# Allegro board RK3588_Template_LP4XD200P232SD8_41R0X41R0_2133MHz_H1R6_V10_20211229.brd (continued)
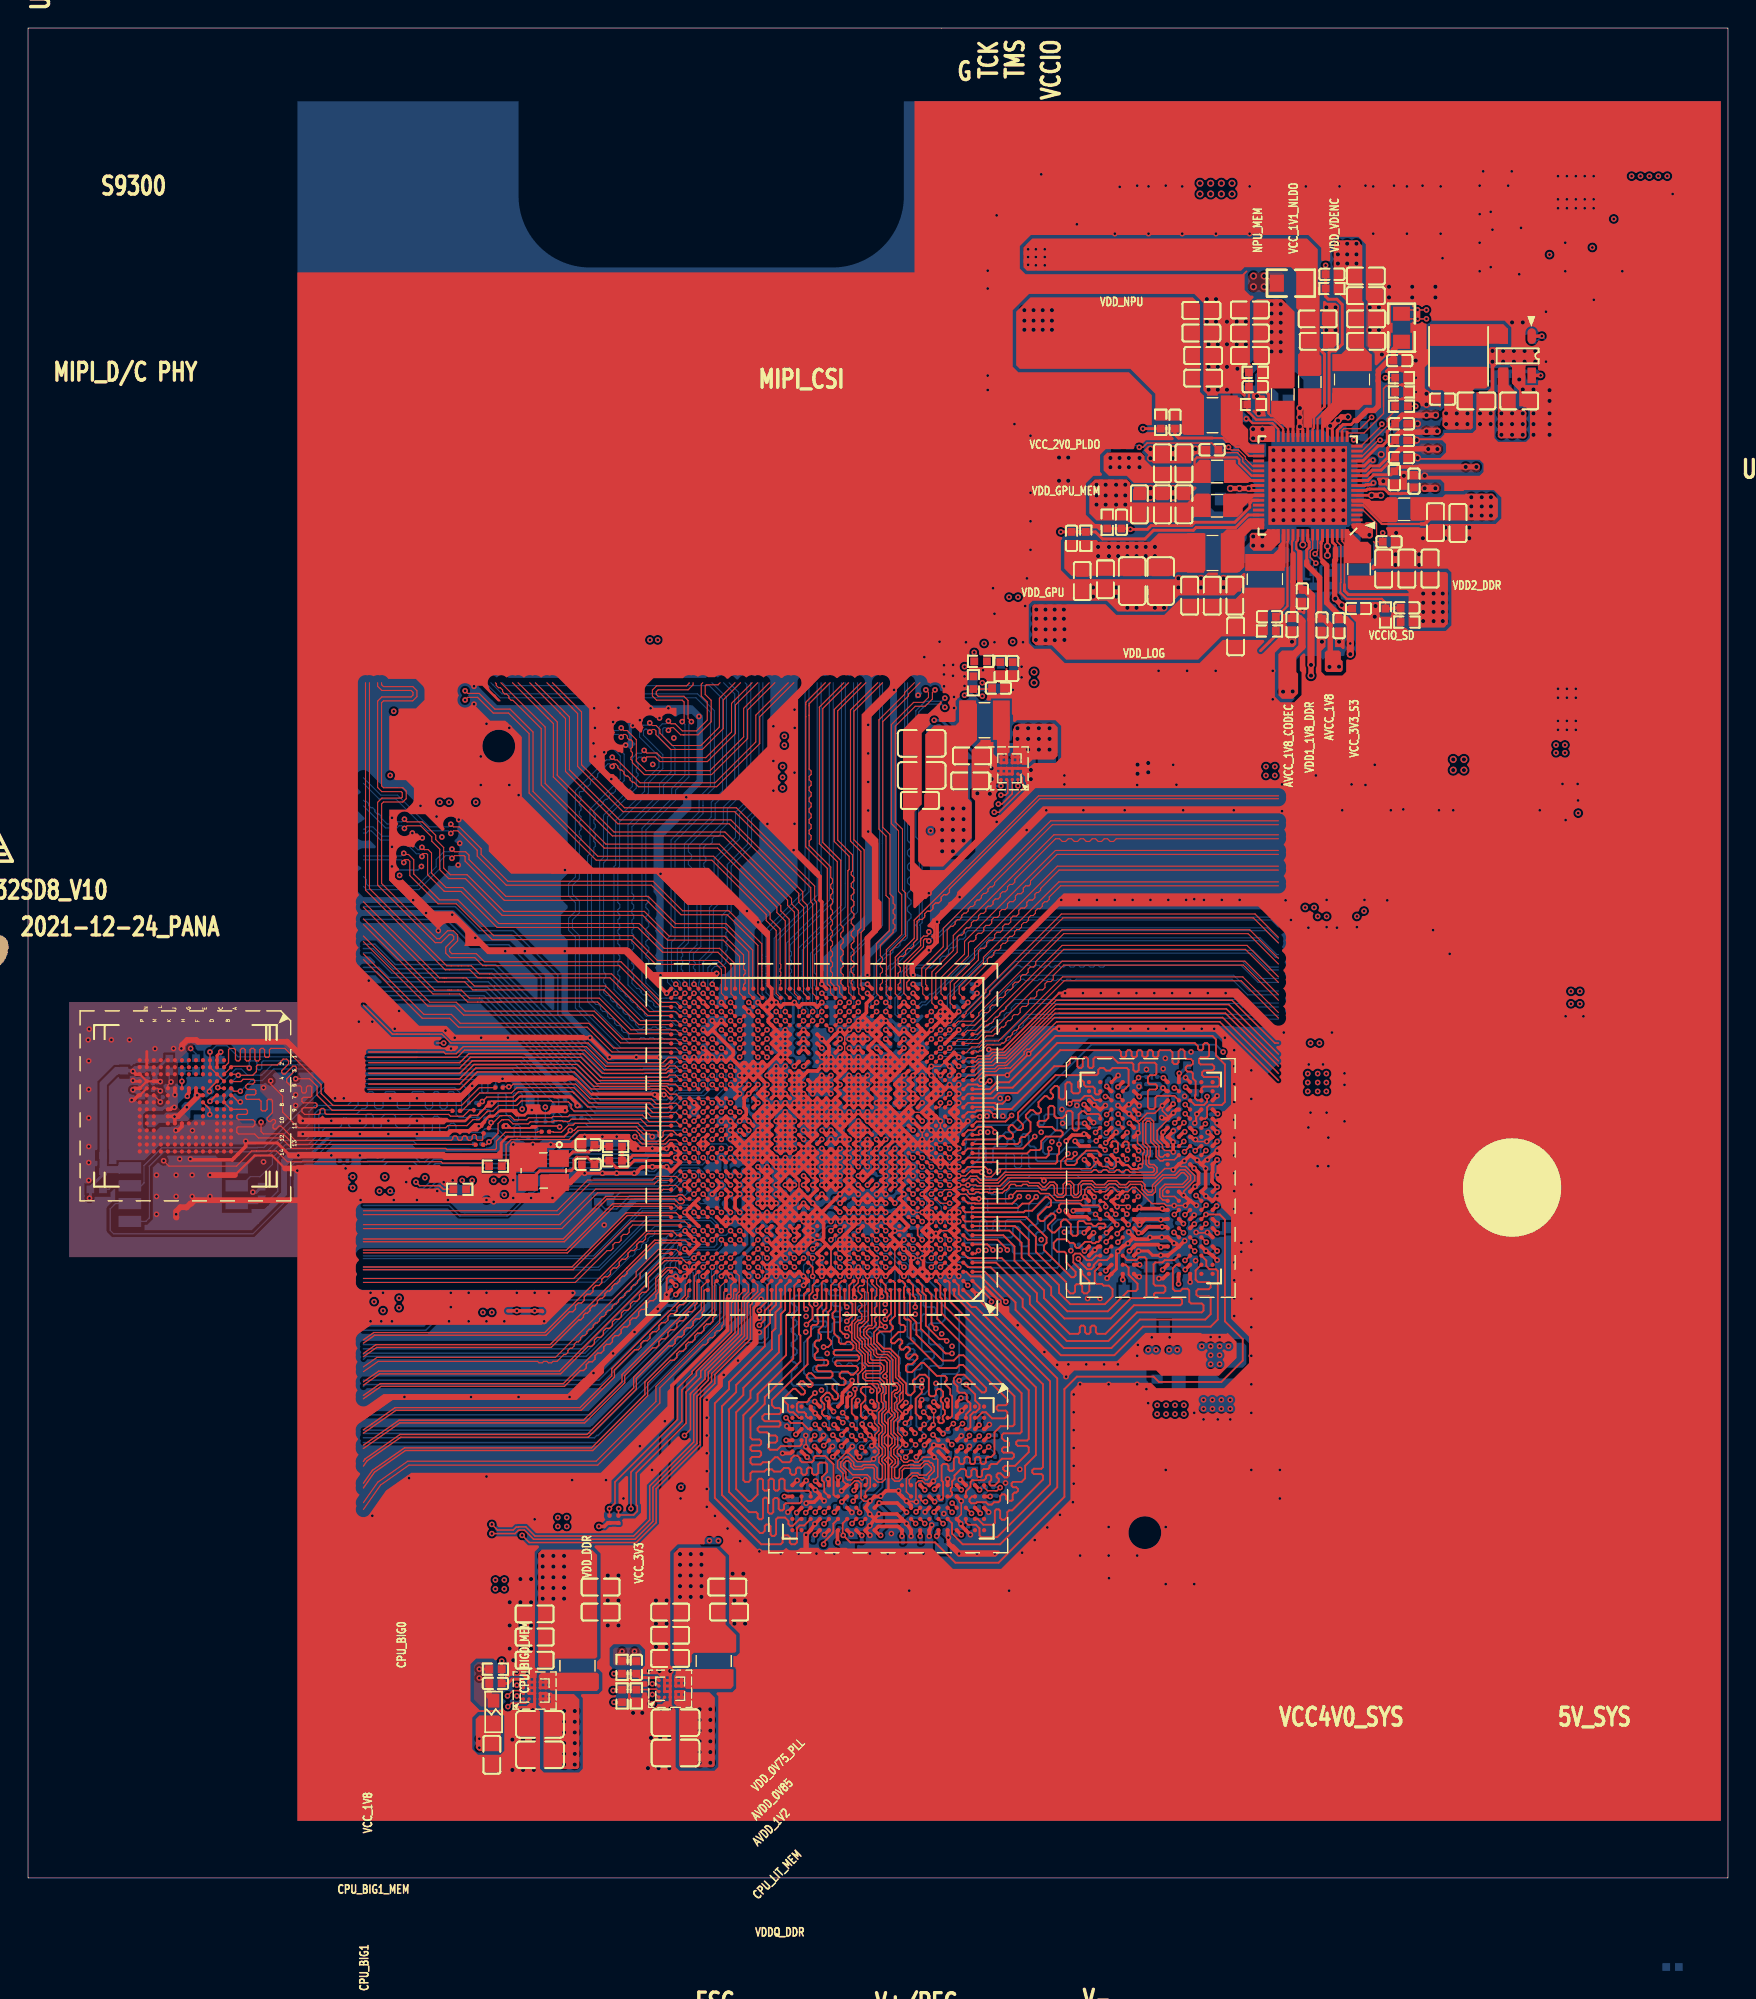
[diagram p0: board, top side]
## Routing (per net, layer and track width the routed paths; a pad name or vN(x,y) marks a point on that pad's centre or on a via; arc(x,y) is an arc through that point) (continued)
DDR_CH0_DQS1P_A: length 25.6
  TOP w0.102: U3800.D10 v1(82.39,55.05) ; U1000.AA5 64.86,54.85 64.96,54.95 v1(64.96,55.18)
  L6-S2 w0.097: v1(82.39,55.05) 82.42,55.03 82.42,54.87 82.54,54.75 82.69,54.75 82.84,54.9 82.84,55.21 82.75,55.3 82.75,55.57 82.84,55.66 82.84,57.19 81.31,58.72 72.05,58.72 70.25,56.93 69.94,56.62 69.77,56.62 68.72,55.58 67.42,55.58 67.33,55.48 67.33,55.33 67.11,55.12 66.96,55.12 66.8,54.96 66.8,54.74 66.6,54.53 65.55,54.53 65.28,54.81 65.28,55.37 65.18,55.47 65.07,55.47 64.96,55.37 v1(64.96,55.18)
DDR_CH0_DQS1P_B: length 25.4
  TOP w0.102: U1000.F5 v1(64.96,44.78) ; v1(83.06,44.63) U3800.W10
  L6-S2 w0.097: v1(83.06,44.63) 82.89,44.81 82.05,44.81 81.56,44.31 81.56,42.79 80.98,42.21 80.98,41.86 80.72,41.61 77.67,41.61 77.52,41.45 76.86,41.45 76.71,41.61 75.49,41.61 75.39,41.71 74.93,41.71 74.77,41.55 74.46,41.55 74.17,41.83 73.67,41.83 73.58,41.74 73.58,41.51 73.37,41.3 73.08,41.3 72.87,41.51 72.87,41.74 72.78,41.83 72.66,41.83 72.57,41.74 72.57,41.51 72.36,41.3 72.06,41.3 71.86,41.51 71.86,41.74 71.77,41.83 71.64,41.83 71.55,41.74 71.55,41.51 71.34,41.3 71.05,41.3 70.84,41.51 70.84,41.74 70.75,41.83 70.23,41.83 69.81,42.26 68.36,42.26 66.67,43.94 65.69,43.94 65.19,44.45 65.19,44.68 65.09,44.78 v1(64.96,44.78)
DDR_CH0_LP4/4X_CKE0/LP5_CS0_A: length 19.1
  TOP w0.086: U1000.P7 v1(63.66,49.98)
  BOTTOM w0.086: R3801.1 77.7,50.27 77.6,50.37 75.03,50.37 74.88,50.52 71.37,50.52 71.25,50.65 71.25,51.44 71.12,51.56 70.87,51.56 70.74,51.44 70.74,50.67 70.61,50.55 70.36,50.55 70.23,50.67 70.23,51.44 70.1,51.56 69.72,51.56 69.63,51.47 69.63,50.26 69.15,49.78 66.65,49.78 66.52,49.65 64.16,49.65 63.84,49.98 v1(63.66,49.98)
DDR_CH0_LP4/4X_CKE0/LP5_CS0_B: length 18.6
  TOP w0.086: v1(65.61,48.03) 64.96,48.03 64.64,48.35 U1000.L5
  BOTTOM w0.086: R3804.1 75.06,49.02 74.63,48.59 72.47,48.59 71.88,48.01 71.37,48.01 71.25,47.88 71.25,47.12 70.99,46.86 69.72,46.86 69.6,46.74 69.6,46.23 69.47,46.1 69.29,46.1 69.16,46.23 69.16,46.74 69.04,46.86 68.83,46.86 68.71,46.74 68.71,46.23 68.58,46.1 68.4,46.1 68.27,46.23 68.27,46.74 68.14,46.86 67.89,46.86 67.76,46.74 67.76,46.23 67.64,46.1 67.31,46.1 67.18,46.23 67.18,47.94 66.99,48.13 65.72,48.13 v1(65.61,48.03)
DDR_CH0_LP4/4X_CKE0_A: length 0.9
  TOP w0.089: U3800.J4 v1(78.24,51.16)
  BOTTOM w0.086: R3801.2 78.24,51.03 v1(78.24,51.16)
DDR_CH0_LP4/4X_CKE0_B: length 1.5
  TOP w0.089: U3800.P4 v1(78.24,48.5)
  BOTTOM w0.086: R3804.2 77.6,49.02 78.11,48.5 v1(78.24,48.5)
DDR_CH0_LP4/4X_CKE1/LP5_CS1_A: length 17.3
  TOP w0.086: U1000.N7 v1(63.66,49.33)
  BOTTOM w0.086: R3802.1 78.33,49.86 74.85,49.86 74.7,50.01 71.35,50.01 71.2,49.86 69.99,49.86 69.41,49.28 69.11,49.28 68.98,49.15 68.98,48.77 68.86,48.64 68.6,48.64 68.47,48.77 68.47,49.15 68.35,49.28 67.37,49.28 67.1,49 64.15,49 63.83,49.33 v1(63.66,49.33)
DDR_CH0_LP4/4X_CKE1/LP5_CS1_B: length 17.5
  TOP w0.086: U1000.L4 v1(65.61,48.68)
  BOTTOM w0.086: R3805.1 78.24,49.14 78.03,49.35 74.55,49.35 74.3,49.1 69.95,49.1 69.6,48.75 69.6,48.13 69.72,48.01 70.36,48.01 70.48,47.88 70.48,47.5 70.36,47.37 68.45,47.37 68.33,47.5 68.33,48.26 67.82,48.77 67.5,48.77 67.41,48.68 v1(65.61,48.68)
DDR_CH0_LP4/4X_CKE1_A: length 0.9
  TOP w0.089: v1(79.04,51.16) U3800.J5
  BOTTOM w0.086: v1(79.04,51.16) 78.74,50.86 R3802.2
DDR_CH0_LP4/4X_CKE1_B: length 1.1
  TOP w0.089: v1(79.05,48.51) U3800.P5
  BOTTOM w0.086: R3805.2 78.76,49.02 79.05,48.74 v1(79.05,48.51)
DDR_CH0_LP4/4X_CS0_A: length 18.8
  TOP w0.127: v1(78.29,51.81) 78.36,51.87 78.36,52.32 78.26,52.42 78.08,52.42 77.94,52.29 U3800.H4 ; U1000.R6 v1(64.31,50.63)
  L6-S2 w0.089: v1(64.31,50.63) 64.64,50.95 65.48,50.95 66.4,50.95 66.41,50.94 66.73,50.94
  L6-S2 w0.127: 66.73,50.94 66.89,50.77 78.46,50.77 78.71,51.02 78.71,51.29 78.75,51.33 78.75,52.32 78.62,52.45 78.39,52.45 78.26,52.32 78.26,51.83 v1(78.29,51.81)
DDR_CH0_LP4/4X_CS0_B: length 21.9
  TOP w0.127: U1000.L7 v1(63.66,48.03) ; v1(78.24,47.25) U3800.R4
  BOTTOM w0.089: v1(63.66,48.03) 63.66,47.84 63.99,47.51 63.99,47.24 64.18,47.05 64.45,47.05 64.64,46.86 64.64,46.49 65.29,45.84 65.29,44.36 65.81,43.84
  BOTTOM w0.127: v1(78.24,47.25) 78.24,47.25 77.85,46.86 77.39,46.86 77.17,46.64 76.87,46.34 73.52,46.34 73.41,46.23 73.41,43.56 73.28,43.43 67.06,43.43 66.65,43.84 65.81,43.84
DDR_CH0_LP4/4X_CS1_A: length 22.4
  TOP w0.127: U3800.H3 77.14,52.35 77.23,52.44 77.47,52.44 77.6,52.31 77.6,51.91 v1(77.46,51.78) ; U1000.R7 63.34,50.95 v1(63.66,50.63)
  BOTTOM w0.089: v1(63.66,50.63) 63.8,50.63 64.12,50.3 66.81,50.3 66.84,50.33
  BOTTOM w0.127: v1(77.46,51.78) 77.17,51.49 76.28,51.49 76.2,51.56 75.06,51.56 74.52,51.03 71.88,51.03 71.75,51.16 71.75,51.94 71.63,52.07 71.37,52.07 71.25,52.2 71.25,52.83 71.12,52.96 70.87,52.96 70.74,52.83 70.74,52.2 70.61,52.07 70.36,52.07 70.23,52.2 70.23,52.45 70.1,52.58 69.85,52.58 69.72,52.45 69.72,52.2 69.6,52.07 68.83,52.07 68.71,51.94 68.71,51.05 68.58,50.93 68.33,50.93 68.2,51.05 68.2,51.94 68.07,52.07 67.82,52.07 67.69,51.94 67.69,51.18 66.84,50.33
DDR_CH0_LP4/4X_CS1_B: length 21.3
  TOP w0.127: U1000.L8 v1(63.01,48.03) ; v1(77.45,47.24) U3800.R3
  BOTTOM w0.089: v1(63.01,48.03) 63.21,48.03 63.53,48.35 63.8,48.35 63.99,48.16 63.99,47.83 64.12,47.7 64.45,47.7 65.29,46.86 65.29,46.34 65.94,45.69 65.94,44.42
  BOTTOM w0.127: 65.94,44.42 66.17,44.2 66.93,44.2 67.18,43.94 72.77,43.94 72.9,44.07 72.9,46.44 73.32,46.86 76.96,46.86 77.34,47.24 v1(77.45,47.24)
DDR_CH1_A0_C: length 20
  TOP w0.127: U3801.H2 63.2,33.08 63.2,34.11 63.63,34.54 v1(63.63,34.93) ; U1000.G12 v1(60.41,45.43)
  BOTTOM w0.089: 62.69,42.59 62.69,43.61 62.5,43.8 62.23,43.8 61.39,44.64 61.39,44.91 61.2,45.1 60.92,45.1 60.59,45.43 v1(60.41,45.43)
  BOTTOM w0.127: v1(63.63,34.93) 63.6,34.95 63.25,34.95 63.12,35.08 63.12,36.07 63.25,36.2 63.5,36.2 63.63,36.32 63.63,36.7 63.88,36.96 64.39,36.96 64.52,37.08 64.52,37.34 64.39,37.47 63.75,37.47 63.63,37.59 63.63,38.86 63.5,38.99 63.12,38.99 62.99,39.12 62.99,39.37 63.12,39.5 63.5,39.5 63.63,39.62 63.63,40.01 63.75,40.13 64.52,40.13 64.64,40.26 64.64,40.51 64.52,40.64 63.88,40.64 63.75,40.77 63.75,41.53 62.69,42.59
DDR_CH1_A0_D: length 24.3
  TOP w0.127: U1000.H15 v1(57.81,46.08) ; v1(58.88,34.8) 58.88,34.75 58.9,34.72 58.9,34.32 58.65,34.06 58.65,33.07 U3801.R2
  BOTTOM w0.089: v1(57.81,46.08) 57.81,45.9 57.49,45.58 57.49,45.27 57.18,44.96
  BOTTOM w0.127: 57.18,44.96 57.18,42.44 57.39,42.23 57.8,42.23 57.91,42.12 57.91,41.96 57.8,41.85 57.13,41.85 57.02,41.73 57.02,41.58 57.13,41.46 57.8,41.46 57.91,41.35 57.91,41.2 57.8,41.08 57.39,41.08 57.28,40.97 57.28,40.81 57.39,40.7 57.8,40.7 57.91,40.59 57.91,40.43 57.8,40.32 57.39,40.32 57.28,40.21 57.28,40.05 57.39,39.94 57.8,39.94 57.91,39.83 57.91,39.67 57.8,39.56 57.39,39.56 57.28,39.45 57.28,38.99 57.15,38.86 56.39,38.86 56.26,38.73 56.26,38.35 55.88,37.97 55.88,37.16 56.01,37.03 56.54,37.03 56.67,36.91 56.67,36.63 56.49,36.45 56.01,36.45 55.88,36.32 55.88,36.14 56.01,36.02 57.71,36.02 57.79,35.94 58.93,35.94 59.13,35.74 59.13,35.03 58.9,34.8 v1(58.88,34.8)
DDR_CH1_A1_C: length 19.1
  TOP w0.127: U3801.J2 62.49,32.37 v1(62.46,32.37) ; U1000.F12 60.09,45.1 v1(60.41,44.78)
  BOTTOM w0.089: 62.24,42.41 62.04,42.61 62.04,43.61 61.2,44.45 60.5,44.45 60.41,44.54 v1(60.41,44.78)
  BOTTOM w0.127: v1(62.46,32.37) 62.46,32.27 62.59,32.15 62.72,32.15 62.85,32.27 62.85,34.31 62.61,34.54 62.61,36.41 62.72,36.52 63.01,36.52 63.12,36.63 63.12,36.79 63.01,36.9 62.72,36.9 62.61,37.01 62.61,37.17 62.72,37.28 63.01,37.28 63.12,37.39 63.12,37.55 63.01,37.66 62.72,37.66 62.61,37.77 62.61,37.93 62.72,38.04 63.01,38.04 63.12,38.15 63.12,38.31 63.01,38.42 62.72,38.42 62.61,38.53 62.61,40.89 62.74,41.02 63.27,41.02 63.4,41.15 63.4,41.4 63.27,41.53 62.74,41.53 62.61,41.66 62.61,42.04 62.24,42.41
DDR_CH1_A1_D: length 23.6
  TOP w0.127: v1(60.07,34.67) 60.07,34.8 59.92,34.96 59.44,34.96 59.29,34.8 59.29,34.62 59.61,34.29 59.61,34.01 59.3,33.69 59.3,32.88 59.42,32.75 59.62,32.75 U3801.P2 ; U1000.G14 v1(59.11,45.43)
  L6-S2 w0.089: 58.79,42.56 58.79,42.96 58.79,45.58 58.93,45.72 59.05,45.72 59.11,45.66 v1(59.11,45.43)
  L6-S2 w0.127: 58.79,42.56 58.8,42.55 58.8,42.42 58.67,42.29 58.17,42.29 58.04,42.16 58.04,41.68 58.17,41.56 58.45,41.56 58.67,41.78 58.93,41.78 59.27,42.12 59.45,42.12 59.69,41.88 59.69,41.66 59.59,41.56 59.59,41.38 59.69,41.28 59.69,41.07 59.56,40.95 58.91,40.95 58.8,40.84 58.8,40.68 58.91,40.57 59.58,40.57 59.69,40.46 59.69,40.3 59.58,40.19 59.29,40.19 59.18,40.07 59.18,39.92 59.29,39.8 59.58,39.8 59.69,39.69 59.69,38.99 60.07,38.61 60.07,38.42 60.2,38.29 60.39,38.29 60.58,38.1 60.58,37.87 60.47,37.76 60.06,37.76 59.94,37.65 59.94,37.49 60.06,37.38 60.47,37.38 60.58,37.27 60.58,37.08 60.45,36.96 60.07,36.96 59.94,36.83 59.94,36.7 60.09,36.56 60.33,36.56 60.45,36.43 60.45,36.32 60.2,36.07 60.2,35.74 60.09,35.63 60.06,35.63 59.94,35.52 59.94,35.36 60.06,35.25 60.09,35.25 60.2,35.14 60.2,34.8 v1(60.07,34.67)
DDR_CH1_A2_C: length 20.6
  TOP w0.127: U1000.E13 59.44,44.45 v1(59.76,44.13) ; U3801.H9 63.59,27.08 63.59,26.9 63.72,26.78 v1(63.9,26.78)
  L6-S2 w0.089: v1(59.76,44.13) 60.09,43.8 60.59,43.8 60.74,43.65 60.74,42.72 60.74,42.71 60.74,42.69 60.93,42.5 60.95,42.5 61.14,42.32
  L6-S2 w0.127: 61.14,42.32 62.61,40.84 62.61,39.73 62.87,39.47 62.87,31.85 62.8,31.78 62.8,31.03 62.85,30.97 62.85,30.69 62.87,30.67 62.87,27.81 63.59,27.08 63.59,26.9 63.72,26.78 v1(63.9,26.78)
DDR_CH1_A2_D: length 21.8
  TOP w0.127: U1000.G13 v1(59.76,45.43) ; v1(58.75,26.82) 58.97,27.04 U3801.R9
  L6-S2 w0.089: 59.75,42.35 59.44,42.67 59.44,45.1 v1(59.76,45.43)
  L6-S2 w0.127: v1(58.75,26.82) 59.33,26.82 60.83,28.32 60.83,33.66 60.58,33.91 60.58,35.94 61.09,36.45 61.09,38.13 60.07,39.15 60.07,42.04 59.75,42.35
DDR_CH1_A3_C: length 19.9
  TOP w0.127: U1000.D13 59.44,43.8 v1(59.76,43.48) ; U3801.H10 v1(63.22,26.06)
  L6-S2 w0.089: 60.43,42.32 60.09,42.65 60.09,43.13 59.77,43.45 v1(59.76,43.48)
  L6-S2 w0.127: 60.43,42.32 62.13,40.61 62.13,39.37 62.36,39.14 62.36,34.54 62.1,34.29 62.1,27.94 62.89,27.15 62.89,26.39 v1(63.22,26.06)
DDR_CH1_A3_D: length 21.1
  TOP w0.127: v1(59.11,44.13) 58.79,44.45 U1000.E14 ; v1(59.2,26.01) 59.2,26.12 U3801.R10
  BOTTOM w0.089: v1(59.11,44.13) 59.44,43.8 59.44,43.61 59.44,42.67 59.6,42.51
  BOTTOM w0.127: v1(59.2,26.01) 59.2,26.67 59.82,27.28 60.3,27.28 60.83,27.81 60.83,33.4 60.96,33.53 60.96,34.9 60.66,35.2 60.66,37.03 60.96,37.34 60.96,38.61 60.33,39.24 60.33,41.78 59.6,42.51
DDR_CH1_A4_C: length 19.3
  TOP w0.127: U1000.A10 61.44,41.8 61.44,40.18 v1(61.03,39.77) ; U3801.H11 v1(63.85,25.23)
  L6-S2 w0.127: v1(61.03,39.77) 61.98,38.83 61.98,35.28 61.59,34.9 61.59,26.49 62.43,25.65 63.42,25.65 v1(63.85,25.23)
DDR_CH1_A4_D: length 19.7
  TOP w0.127: v1(58.67,25.23) 58.67,25.25 U3801.R11 ; U1000.A15 58.14,40.79 v1(58.29,40.64)
  L6-S2 w0.127: v1(58.29,40.64) 58.32,40.64 58.67,40.28 58.67,39.88 59.31,39.24 59.31,38.73 59.56,38.48 59.56,35.18 59.69,35.05 59.69,33.4 59.56,33.27 59.56,33.02 59.82,32.77 60.07,32.77 60.45,32.39 60.45,30.61 59.69,29.85 59.69,27.76 59.16,27.23 58.6,27.23 58.29,26.92 58.29,25.63 58.67,25.25 v1(58.67,25.23)
DDR_CH1_A5_C: length 20.4
  TOP w0.127: v1(61.03,40.84) 61.03,40.89 61.18,41.04 61.18,41.6 61.06,41.73 61.06,42.19 60.74,42.5 U1000.B11 ; U3801.J11 v1(63.2,25.23)
  L6-S2 w0.127: v1(61.03,40.84) 60.69,40.5 60.69,39.07 61.59,38.16 61.59,35.59 61.21,35.2 61.21,26.07 62.4,24.88 62.85,24.88 v1(63.2,25.23)
DDR_CH1_A5_D: length 21.4
  TOP w0.127: U3801.P11 v1(59.32,25.26) ; U1000.B14 58.79,42.5 58.47,42.18 58.47,41.1 58.7,40.87 58.7,40.03 v1(58.29,39.62)
  L6-S2 w0.127: v1(58.29,39.62) 58.67,39.24 58.67,38.83 59.18,38.32 59.18,35 59.3,34.89 59.3,34.71 58.7,34.11 58.7,33.48 59.03,33.15 59.03,32.11 58.8,31.88 58.55,31.88 58.29,31.62 58.29,28.35 57.89,27.94 57.79,27.94 57.56,27.71 57.56,26.52 57.91,26.16 57.91,25.45 58.5,24.87 58.93,24.87 v1(59.32,25.26)
DDR_CH1_CLKN_C: length 23.8
  TOP w0.102: U3801.J9 62.53,27.49 62.53,28.43 62.93,28.83 63.35,28.83 63.5,28.68 63.95,28.68 64.32,29.05 64.32,29.19 64.04,29.47 63.9,29.47 63.58,29.16 62.4,29.16 62.24,29.01 62.24,28.47 62.02,28.24 61.71,28.24 61.49,28.46 61.49,29.26 61.75,29.52 61.75,29.76 61.44,30.06 61.44,30.57 61.71,30.85 61.71,31.34 61.44,31.62 61.44,32.55 61.71,32.82 61.71,33.03 61.49,33.26 61.49,34.52 61.7,34.72 61.8,34.72 61.89,34.81 61.89,34.94 61.8,35.04 61.59,35.04 61.37,35.26 61.37,36.8 61.1,37.06 60.42,37.06 60.2,37.28 60.2,37.52 59.82,37.91 59.82,38.32 59.5,38.64 59.5,39.02 59.79,39.32 60.05,39.32 60.07,39.34 60.07,41.83 U1000.A12
DDR_CH1_CLKN_D: length 26.4
  TOP w0.102: U3801.P9 59.62,27.49 59.97,27.84 59.97,28.48 59.75,28.7 58.7,28.7 58.06,29.34 58.06,29.5 58.25,29.69 58.39,29.69 58.58,29.5 58.58,29.3 58.8,29.08 59.44,29.08 59.56,29.21 60.15,29.21 60.25,29.11 60.25,28.42 60.5,28.17 60.81,28.17 61.03,28.39 61.03,29.42 60.78,29.67 60.78,29.84 61.03,30.09 61.03,30.59 60.78,30.85 60.78,31.46 61.03,31.71 61.03,32.19 60.78,32.45 60.78,33.06 61.08,33.36 61.08,33.87 60.96,33.99 60.96,34.39 61.08,34.51 61.08,34.97 60.96,35.09 60.96,35.28 60.64,35.6 59.72,35.6 59.63,35.69 59.63,35.82 59.72,35.91 60.72,35.91 60.93,36.12 60.93,36.43 60.71,36.65 59.9,36.65 59.8,36.75 59.8,37.35 59.39,37.76 59.39,38.18 59.05,38.51 59.05,39.38 59.18,39.5 59.34,39.5 59.56,39.72 59.56,41.73 U1000.A13
DDR_CH1_CLKP_C: length 24.5
  TOP w0.102: U1000.B12 60.09,42.29 60.42,41.96 60.42,41.47 60.27,41.32 60.27,41.16 60.35,41.09 60.42,41.02 60.42,40.71 60.27,40.56 60.27,40.26 60.42,40.11 60.42,39.97 60.27,39.83 60.27,39.62 60.38,39.51 60.38,39.37 60.13,39.12 59.88,39.12 59.7,38.94 59.7,38.73 60.02,38.41 60.02,37.99 60.41,37.6 60.41,37.36 60.51,37.26 61.19,37.26 61.57,36.88 61.57,35.34 61.67,35.24 61.88,35.24 62.09,35.02 62.09,34.73 61.89,34.52 61.78,34.52 61.69,34.43 61.69,34.29 61.85,34.13 61.85,33.94 61.69,33.78 61.69,33.34 61.92,33.12 61.92,32.74 61.64,32.46 61.64,31.7 61.92,31.43 61.92,30.77 61.64,30.49 61.64,30.15 61.95,29.84 61.95,29.44 61.69,29.18 61.69,28.55 61.79,28.45 61.94,28.45 62.04,28.55 62.04,29.09 62.31,29.36 62.66,29.36 62.71,29.41 63.02,29.41 63.07,29.36 63.5,29.36 63.81,29.67 64.12,29.67 64.23,29.56 64.32,29.56 64.42,29.46 64.42,29.37 64.52,29.27 64.52,28.96 64.14,28.58 64.14,28.45 64.03,28.34 63.89,28.34 63.75,28.47 63.42,28.47 63.26,28.63 63.02,28.63 62.74,28.35 62.74,28.05 62.84,27.95 U3801.J8
DDR_CH1_CLKP_D: length 27.4
  TOP w0.102: U1000.B13 59.53,42.41 59.53,42.27 59.43,42.16 59.23,42.16 59.1,42.04 59.1,41.74 59.36,41.48 59.36,41.33 59.19,41.16 59.19,41.01 59.36,40.84 59.36,40.64 59.18,40.46 59.18,40.31 59.36,40.13 59.36,39.81 59.26,39.7 59.09,39.7 58.85,39.46 58.85,38.43 59.18,38.09 59.18,37.68 59.59,37.27 59.59,36.67 59.81,36.45 60.63,36.45 60.73,36.35 60.73,36.2 60.64,36.11 59.64,36.11 59.43,35.9 59.43,35.61 59.64,35.4 60.55,35.4 60.76,35.19 60.76,35 60.88,34.88 60.88,34.59 60.76,34.47 60.76,33.9 60.88,33.78 60.88,33.45 60.57,33.14 60.57,32.37 60.83,32.11 60.83,31.8 60.57,31.54 60.57,30.77 60.83,30.51 60.83,30.17 60.58,29.92 60.58,29.59 60.83,29.34 60.83,28.48 60.73,28.37 60.58,28.37 60.45,28.51 60.45,29.19 60.23,29.41 59.48,29.41 59.35,29.29 58.89,29.29 58.78,29.39 58.78,29.58 58.39,29.97 58.25,29.97 57.86,29.59 57.86,29.25 58.23,28.89 58.23,28.46 58.36,28.33 58.64,28.33 58.8,28.5 59.18,28.5 59.33,28.35 59.44,28.35 59.58,28.49 59.68,28.49 59.76,28.4 59.76,28.1 U3801.P8
DDR_CH1_DM0_C: length 17.5
  TOP w0.127: U1000.F8 v1(63.01,44.78) ; U3801.C3 66.97,31.95 67.09,32.08 67.09,32.93 67.31,33.15 67.46,33.15 67.74,33.43 67.74,33.68 67.44,33.98 67.44,34.42 66.8,35.05 v1(66.8,35.13)
  L6-S2 w0.089: 62.02,42.37 62.02,42.96 61.98,43 61.98,44.32 62.1,44.45 62.23,44.45 62.23,44.45 62.5,44.45 62.5,44.45 62.69,44.45 v1(63.01,44.78)
  L6-S2 w0.127: 62.02,42.37 64.33,40.07 65.09,40.07 66.8,38.35 v1(66.8,35.13)
DDR_CH1_DM0_D: length 14.7
  TOP w0.127: v1(53.96,32.75) 54.33,32.39 55.12,32.39 55.55,31.95 U3801.Y3 ; U1000.D20 54.89,43.8 v1(55.21,44.13)
  L6-S2 w0.089: 55.54,41.95 55.54,43.14 55.37,43.31 55.37,43.97 v1(55.21,44.13)
  L6-S2 w0.127: v1(53.96,32.75) 54.1,32.89 54.1,39.5 54.86,40.26 54.86,41.28 55.54,41.95
DDR_CH1_DM1_C: length 21.8
  TOP w0.127: v1(64.97,43.48) 65.29,43.8 U1000.D4 ; U3801.C10 v1(67.17,25.95)
  L6-S2 w0.089: v1(64.97,43.48) 65.28,43.17 65.28,42.97 65.29,42.96 65.29,42.69 65.28,42.68 65.28,42.55 65.41,42.42 65.91,42.42 66.55,41.78 66.55,41.66 67.16,41.04
  L6-S2 w0.127: v1(67.17,25.95) 67.17,26.03 67.69,26.54 67.69,26.92 69.6,28.83 69.6,38.61 67.16,41.04
DDR_CH1_DM1_D: length 21.1
  TOP w0.127: U3801.Y10 v1(55.37,26) ; U1000.D22 53.59,43.8 v1(53.91,43.48)
  L6-S2 w0.089: v1(53.91,43.48) 53.59,43.16 53.59,42.97 53.59,42.96 53.59,42.69 53.59,42.69 53.59,42.29 53.31,42.01
  L6-S2 w0.127: v1(55.37,26) 54.83,26.54 53.85,26.54 52.07,28.32 52.07,38.23 52.58,38.73 52.58,40.46 53.21,41.1 53.21,41.91 53.31,42.01
DDR_CH1_DQ0_C: length 17.3
  TOP w0.127: U3801.B2 67.55,32.75 67.94,33.15 68.2,33.15 68.63,32.72 69.55,32.72 69.72,32.89 69.72,33.16 69.61,33.27 69.07,33.27 68.96,33.38 68.96,33.54 69.07,33.65 69.61,33.65 69.72,33.76 69.72,34.09 66.6,37.21 66.29,37.21 65.91,36.83 65.1,36.83 63.25,38.68 63.25,39.55 62.78,40.01 62.78,41.62 62.69,41.71 U1000.A8
DDR_CH1_DQ0_D: length 18.7
  TOP w0.127: U1000.A17 56.84,41.85 56.84,40.56 56.61,40.33 56.61,39.34 56.29,39.02 56.29,38.84 56.46,38.67 56.46,38.38 56.33,38.25 56.12,38.25 56.01,38.14 56.01,37.87 56.22,37.66 56.22,37.48 56.01,37.27 56.01,36.98 56.12,36.87 56.86,36.87 56.97,36.76 56.97,36.6 56.86,36.49 56.25,36.49 56.13,36.38 56.13,36.2 56.26,36.07 57.15,36.07 57.28,35.94 57.28,35.74 57.15,35.61 56.08,35.61 55.77,35.93 55.59,35.93 55.44,35.79 55.44,35.63 55.85,35.22 55.85,35.06 55.74,34.95 55.58,34.95 55.17,35.36 55.02,35.36 54.9,35.25 54.9,35.09 55.31,34.68 55.31,34.52 55.2,34.41 55.04,34.41 54.64,34.82 54.48,34.82 53.81,34.15 53.81,33.97 54.1,33.68 54.1,33.27 54.23,33.15 54.48,33.15 54.88,32.75 U3801.AA2
DDR_CH1_DQ1_C: length 18.6
  TOP w0.127: U3801.C2 66.77,32.99 67.1,33.31 67.1,33.78 66.97,33.91 66.93,33.91 66.84,34 66.84,34.38 66.67,34.54 66.29,34.54 66.17,34.67 66.17,34.99 65.91,35.25 65.91,35.56 66.18,35.82 66.65,35.82 67.91,34.56 68.09,34.56 68.22,34.69 68.22,34.87 66.57,36.52 66.32,36.52 66.1,36.3 64.89,36.3 62.84,38.36 62.84,39.62 62.71,39.75 62.48,39.75 62.4,39.84 62.4,41.33 62.36,41.36 62.36,42.04 62.44,42.12 62.44,42.3 62.24,42.5 U1000.B9
DDR_CH1_DQ1_D: length 16.5
  TOP w0.127: U3801.Y2 55.52,32.75 55.39,32.88 55.39,33.02 55.27,33.15 54.86,33.15 54.74,33.27 54.74,33.74 54.86,33.87 55.46,33.87 55.58,34 55.58,34.08 v1(56.03,34.52) ; U1000.B16 57.49,42.5 57.17,42.18 57.17,40.48 56.97,40.28 56.97,38.43 57.18,38.22 57.18,38.01 56.97,37.8 v1(56.64,37.8)
  L6-S2 w0.127: v1(56.03,34.52) 56.03,34.39 55.93,34.29 55.75,34.29 55.63,34.42 55.63,34.85 55.74,34.96 55.93,34.96 56.05,35.07 56.05,35.23 55.93,35.34 55.74,35.34 55.63,35.45 55.63,35.61 55.74,35.72 55.93,35.72 56.05,35.84 56.05,35.99 55.93,36.11 55.74,36.11 55.63,36.22 55.63,36.37 55.74,36.49 55.93,36.49 56.05,36.6 56.05,36.76 55.93,36.87 55.74,36.87 55.63,36.98 55.63,37.18 55.75,37.31 56.11,37.31 56.23,37.44 56.23,37.62 56.08,37.77 56.08,37.97 56.39,38.27 56.57,38.27 56.76,38.09 56.76,37.91 v1(56.64,37.8)
DDR_CH1_DQ2_C: length 17.4
  TOP w0.127: U3801.E2 65.67,32.75 65.79,32.88 65.79,34.28 65.66,34.42 65.66,34.78 65.3,35.14 65.3,35.32 65.41,35.43 65.41,35.62 65.28,35.74 64.7,35.74 63.77,36.67 63.59,36.67 62.93,36 62.64,36 62.51,36.13 62.51,36.45 62.64,36.58 62.92,36.58 63.32,36.97 63.32,37.15 63.21,37.26 63.05,37.26 62.77,36.98 62.61,36.98 62.5,37.09 62.5,37.25 62.78,37.53 62.78,37.69 62.67,37.8 62.51,37.8 62.32,37.61 62.17,37.61 62.05,37.73 62.05,37.88 62.24,38.07 62.24,38.23 62.13,38.34 61.97,38.34 61.69,38.06 61.53,38.06 61.44,38.15 61.44,38.33 61.98,38.86 62.33,38.86 62.46,38.99 62.46,39.24 62.34,39.36 62.17,39.36 62.04,39.49 62.04,41.85 U1000.A9
DDR_CH1_DQ2_D: length 21.2
  TOP w0.127: U1000.A16 57.49,41.85 57.49,40.4 57.28,40.18 57.28,39.88 57.4,39.75 57.4,38.74 57.73,38.42 57.73,38.15 57.85,38.03 58.17,38.03 58.31,38.17 58.49,38.17 58.76,37.9 58.76,37.72 58.64,37.59 57.48,37.59 57.36,37.47 57.36,37.31 57.46,37.21 59.05,37.21 59.17,37.09 59.17,36.96 59.05,36.83 57.58,36.83 57.48,36.73 57.48,36.55 57.58,36.45 58.95,36.45 59.08,36.32 59.08,36.14 58.76,35.83 58.58,35.83 58.37,36.04 57.94,36.04 57.79,35.89 57.79,35.69 57.91,35.56 58.04,35.56 58.2,35.4 58.2,35.22 58.08,35.09 57.75,35.09 57.67,35.17 57.4,35.17 57.28,35.04 57.28,34.82 57.66,34.44 57.66,34.16 57.56,34.06 57.38,34.06 57.28,34.16 57.28,34.29 57.02,34.54 56.84,34.54 56.59,34.29 56.57,34.29 56.44,34.16 56.44,33.98 56.69,33.73 56.69,33.38 56.54,33.22 56.54,33.04 56.69,32.89 56.89,32.89 57.02,32.76 U3801.V2
DDR_CH1_DQ3_C: length 19.3
  TOP w0.127: U3801.F2 64.82,32.46 64.91,32.37 65.09,32.37 65.2,32.49 65.2,32.56 65.12,32.65 65.12,32.87 65.28,33.02 65.28,33.27 65.15,33.4 65.15,33.78 64.98,33.94 64.98,34.12 65.15,34.29 65.15,34.61 64.95,34.81 64.77,34.81 64.64,34.68 64.64,34.42 64.52,34.29 64.26,34.29 64.14,34.42 64.14,35.56 63.87,35.82 63.48,35.82 63.18,35.52 63.12,35.52 62.99,35.39 62.99,35.18 63.12,35.05 63.12,34.63 62.85,34.36 62.66,34.36 62.52,34.5 62.52,35.19 61.99,35.72 61.99,37.07 61.38,37.68 60.92,37.68 60.44,38.16 60.44,38.68 60.66,38.9 61.37,38.9 61.57,39.09 61.57,39.27 61.38,39.46 61.38,39.66 61.72,40 61.72,42.38 61.59,42.5 U1000.B10
DDR_CH1_DQ3_D: length 16.3
  TOP w0.127: v1(58.01,32.41) U3801.U2 ; v1(58.29,38.57) 58.13,38.73 58.04,38.73 57.81,38.97 57.81,42.01 57.72,42.1 57.72,42.28 57.92,42.48 58.11,42.48 U1000.B15
  L6-S2 w0.127: v1(58.29,38.57) 58.29,38.39 58.42,38.26 58.71,38.26 58.8,38.17 58.8,37.97 58.69,37.86 58.12,37.86 58.01,37.75 58.01,37.59 58.12,37.48 58.69,37.48 58.8,37.37 58.8,37.21 58.69,37.1 58.12,37.1 58.01,36.99 58.01,36.83 58.12,36.72 58.69,36.72 58.8,36.61 58.8,36.43 58.67,36.3 58.14,36.3 58.01,36.16 58.01,35.87 58.12,35.76 58.2,35.76 58.31,35.65 58.31,35.49 58.2,35.38 58.12,35.38 58.01,35.27 58.01,35.11 58.12,35 58.2,35 58.31,34.89 58.31,34.73 58.2,34.62 58.12,34.62 58.01,34.5 58.01,34.29 58.13,34.16 58.29,34.16 58.39,34.06 58.39,33.88 58.29,33.78 58.17,33.78 58.06,33.68 58.06,33.55 58.39,33.22 58.39,32.79 v1(58.01,32.41)
DDR_CH1_DQ4_C: length 12.5
  TOP w0.127: U1000.A6 63.99,41.85 64.33,41.52 64.33,39.43 v1(64.64,39.11) ; U3801.F4 v1(64.43,31.54)
  L6-S2 w0.127: v1(64.43,31.54) 64.1,31.88 63.63,31.88 63.25,32.26 63.25,37.72 v1(64.64,39.11)
DDR_CH1_DQ4_D: length 14.5
  TOP w0.127: U3801.U4 v1(57.3,31.52) ; v1(55.39,40.48) 55.24,40.64 55.24,41.55 U1000.A19
  L6-S2 w0.127: v1(55.39,40.48) 55.53,40.48 55.88,40.13 55.88,38.84 54.86,37.83 54.86,32 55.01,31.86 55.01,31.34 55.21,31.14 56.92,31.14 v1(57.3,31.52)
DDR_CH1_DQ5_C: length 14.8
  TOP w0.127: U3801.E4 v1(65.77,30.85) ; U1000.B7 63.34,42.5 63.68,42.17 63.68,41.7 63.92,41.46 63.92,39.32 64.89,38.35 65.28,38.35 v1(65.41,38.23)
  L6-S2 w0.127: v1(65.41,38.23) 64.14,36.96 64.14,32.89 64.26,32.77 64.64,32.77 64.8,32.61 64.8,31.47 65.07,31.19 65.43,31.19 v1(65.77,30.85)
DDR_CH1_DQ5_D: length 16.1
  TOP w0.127: U3801.V4 v1(56.65,30.78) ; v1(55.42,39.39) 55.85,39.82 55.85,40.59 55.63,40.82 55.63,41.48 55.86,41.72 55.86,42.18 56.19,42.5 U1000.B18
  L6-S2 w0.127: v1(56.65,30.78) 56.22,30.35 55.12,30.35 54.74,30.73 54.74,30.99 54.31,31.42 54.31,31.83 54.48,32 54.48,39.12 54.76,39.39 v1(55.42,39.39)
DDR_CH1_DQ6_C: length 14.3
  TOP w0.127: v1(67.03,31.49) 67.03,31.41 U3801.C4 ; U1000.A7 63.34,41.68 63.56,41.46 63.56,39.1 65.33,37.34 v1(65.79,37.34)
  L6-S2 w0.127: v1(65.79,37.34) 65.02,36.58 65.02,33.15 65.15,33.02 65.15,32.13 66.17,31.12 66.65,31.12 v1(67.03,31.49)
DDR_CH1_DQ6_D: length 14.1
  TOP w0.127: U3801.Y4 55.72,31.21 v1(56.01,31.5) ; U1000.A18 56.19,41.49 56.06,41.36 v1(56.05,41.36)
  L6-S2 w0.089: v1(56.05,41.36) 56.05,41.56 55.97,41.65 55.62,41.65 55.24,41.28 55.24,41.02 55.37,40.89 55.55,40.89 56.01,40.44
  L6-S2 w0.127: v1(56.01,31.5) 55.24,32.26 55.24,32.87 55.55,33.17 55.55,33.48 55.24,33.78 55.24,37.67 55.38,37.81 55.56,37.81 55.69,37.93 55.69,38.11 56.26,38.68 56.26,38.99 56.39,39.12 56.52,39.12 56.64,39.24 56.64,39.5 56.52,39.62 56.39,39.62 56.26,39.75 56.26,40.18 56.01,40.44
DDR_CH1_DQ7_C: length 15.5
  TOP w0.127: U1000.B8 63.01,42.18 63.01,41.45 63.17,41.29 v1(63.17,40.64) ; U3801.B4 v1(67.72,31.46)
  L6-S2 w0.127: v1(63.17,40.64) 63.2,40.64 64.19,39.65 64.74,39.65 66.42,37.97 66.42,37.21 65.91,36.7 65.91,33.78 65.53,33.4 65.53,32.13 65.79,31.88 67.18,31.88 67.6,31.46 v1(67.72,31.46)
DDR_CH1_DQ7_D: length 22.5
  TOP w0.127: U1000.B17 56.64,42.5 56.51,42.38 56.51,40.79 56.21,40.48 56.21,39.81 56.26,39.75 56.26,39.5 56.13,39.37 55.88,39.37 55.75,39.24 55.75,39.08 55.74,39.07 55.74,38.61 55.5,38.37 55.5,36.56 52.96,34.02 52.96,33.66 53.16,33.45 53.49,33.45 53.62,33.33 53.62,33.15 53.49,33.02 52.45,33.02 52.28,32.86 52.28,32.68 52.45,32.51 53.47,32.51 53.57,32.41 53.57,32.23 53.47,32.13 52.07,32.13 51.94,32 51.94,31.87 52.1,31.72 52.61,31.72 52.83,31.5 53.21,31.5 53.34,31.37 53.34,31.12 53.21,30.99 52.83,30.99 52.7,30.86 52.7,30.61 52.83,30.48 53.34,30.48 53.59,30.73 54.94,30.73 55.07,30.87 U3801.AA4
